# Altium PCB main.PcbDoc (part 1 of 5) (continued)
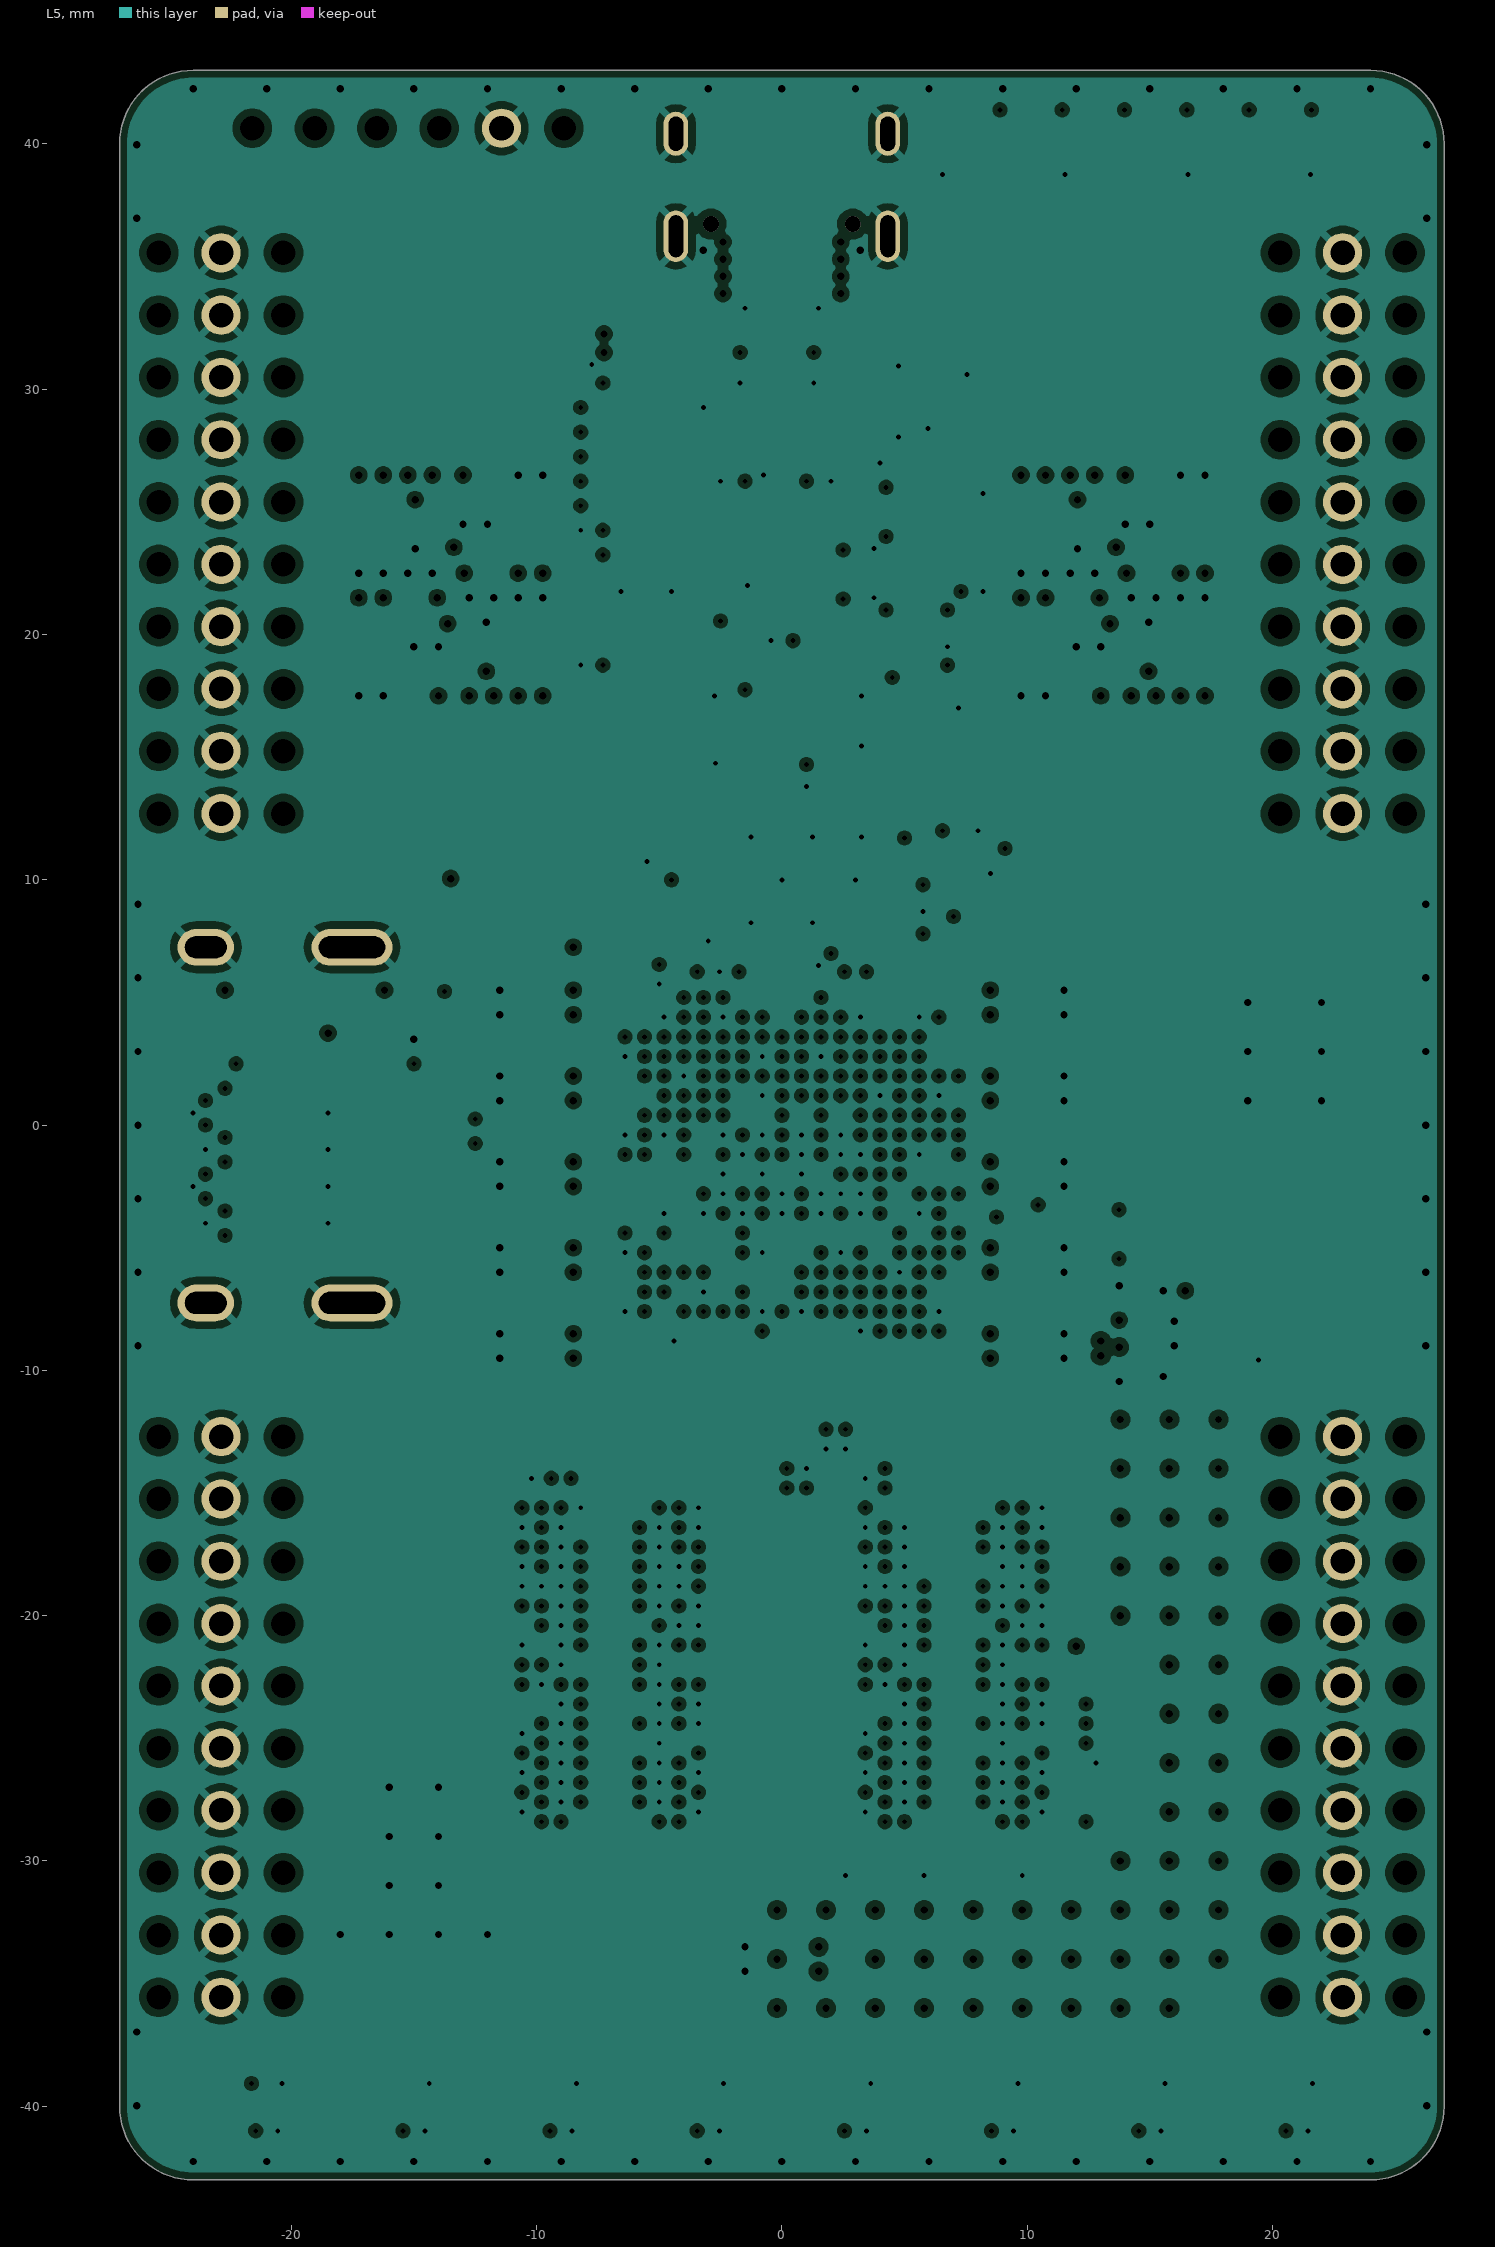
[diagram p5: L5]
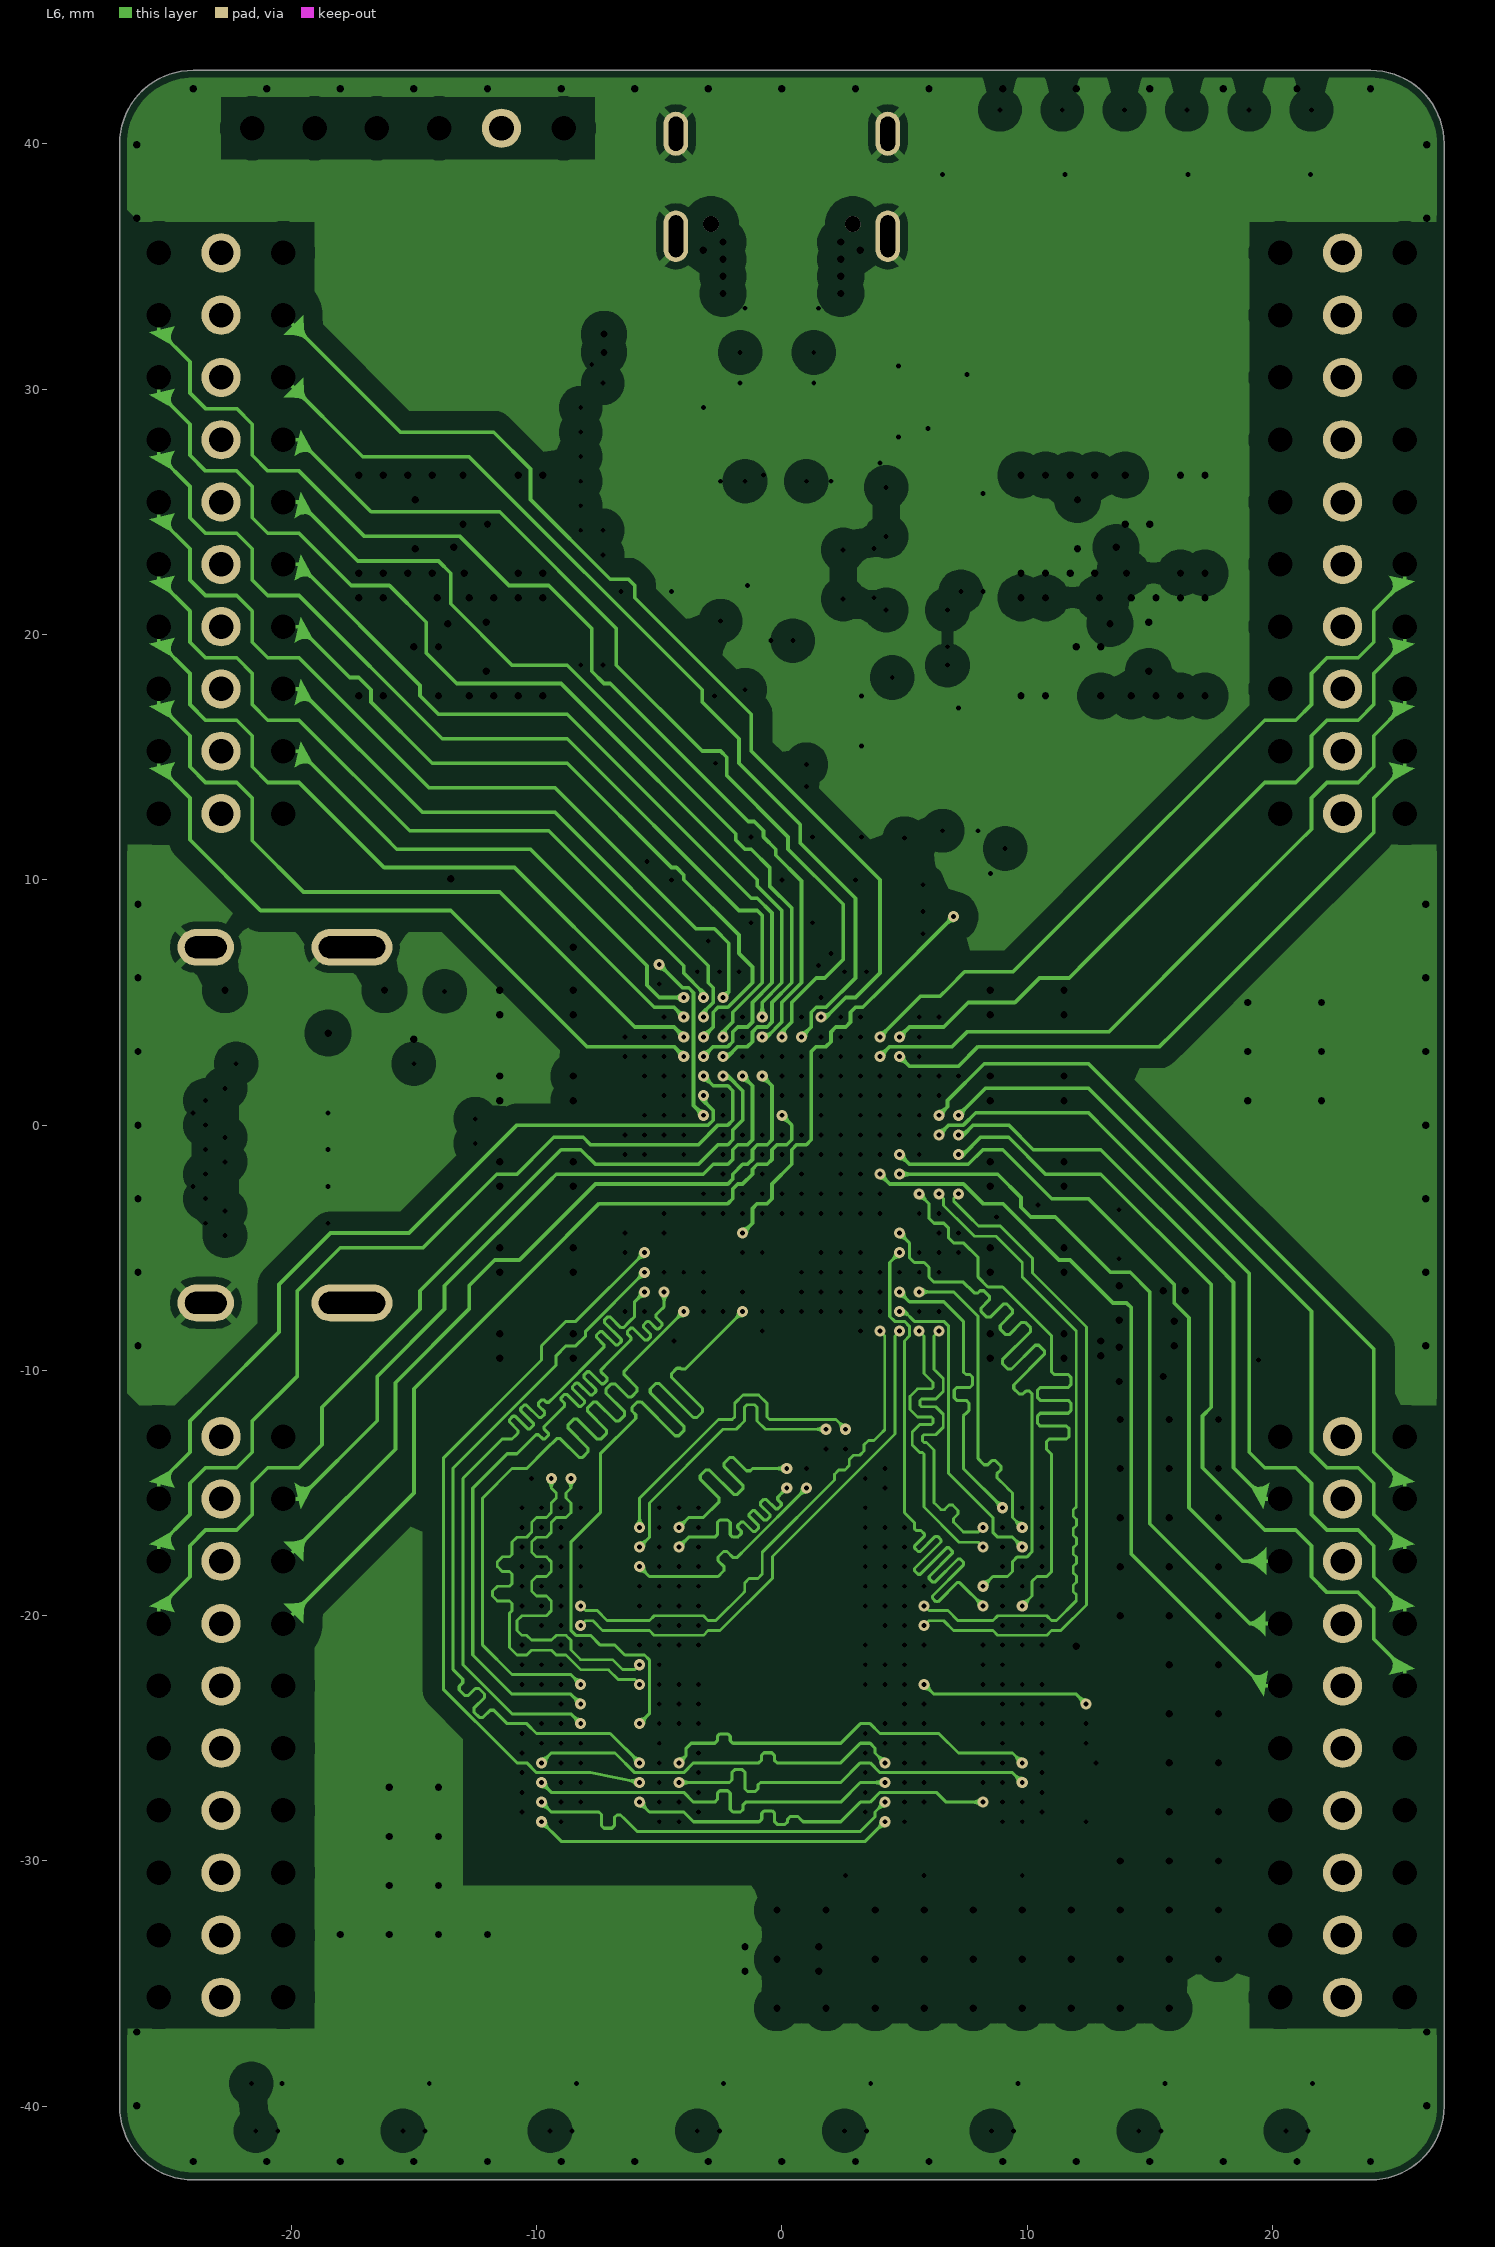
[diagram p6: L6]
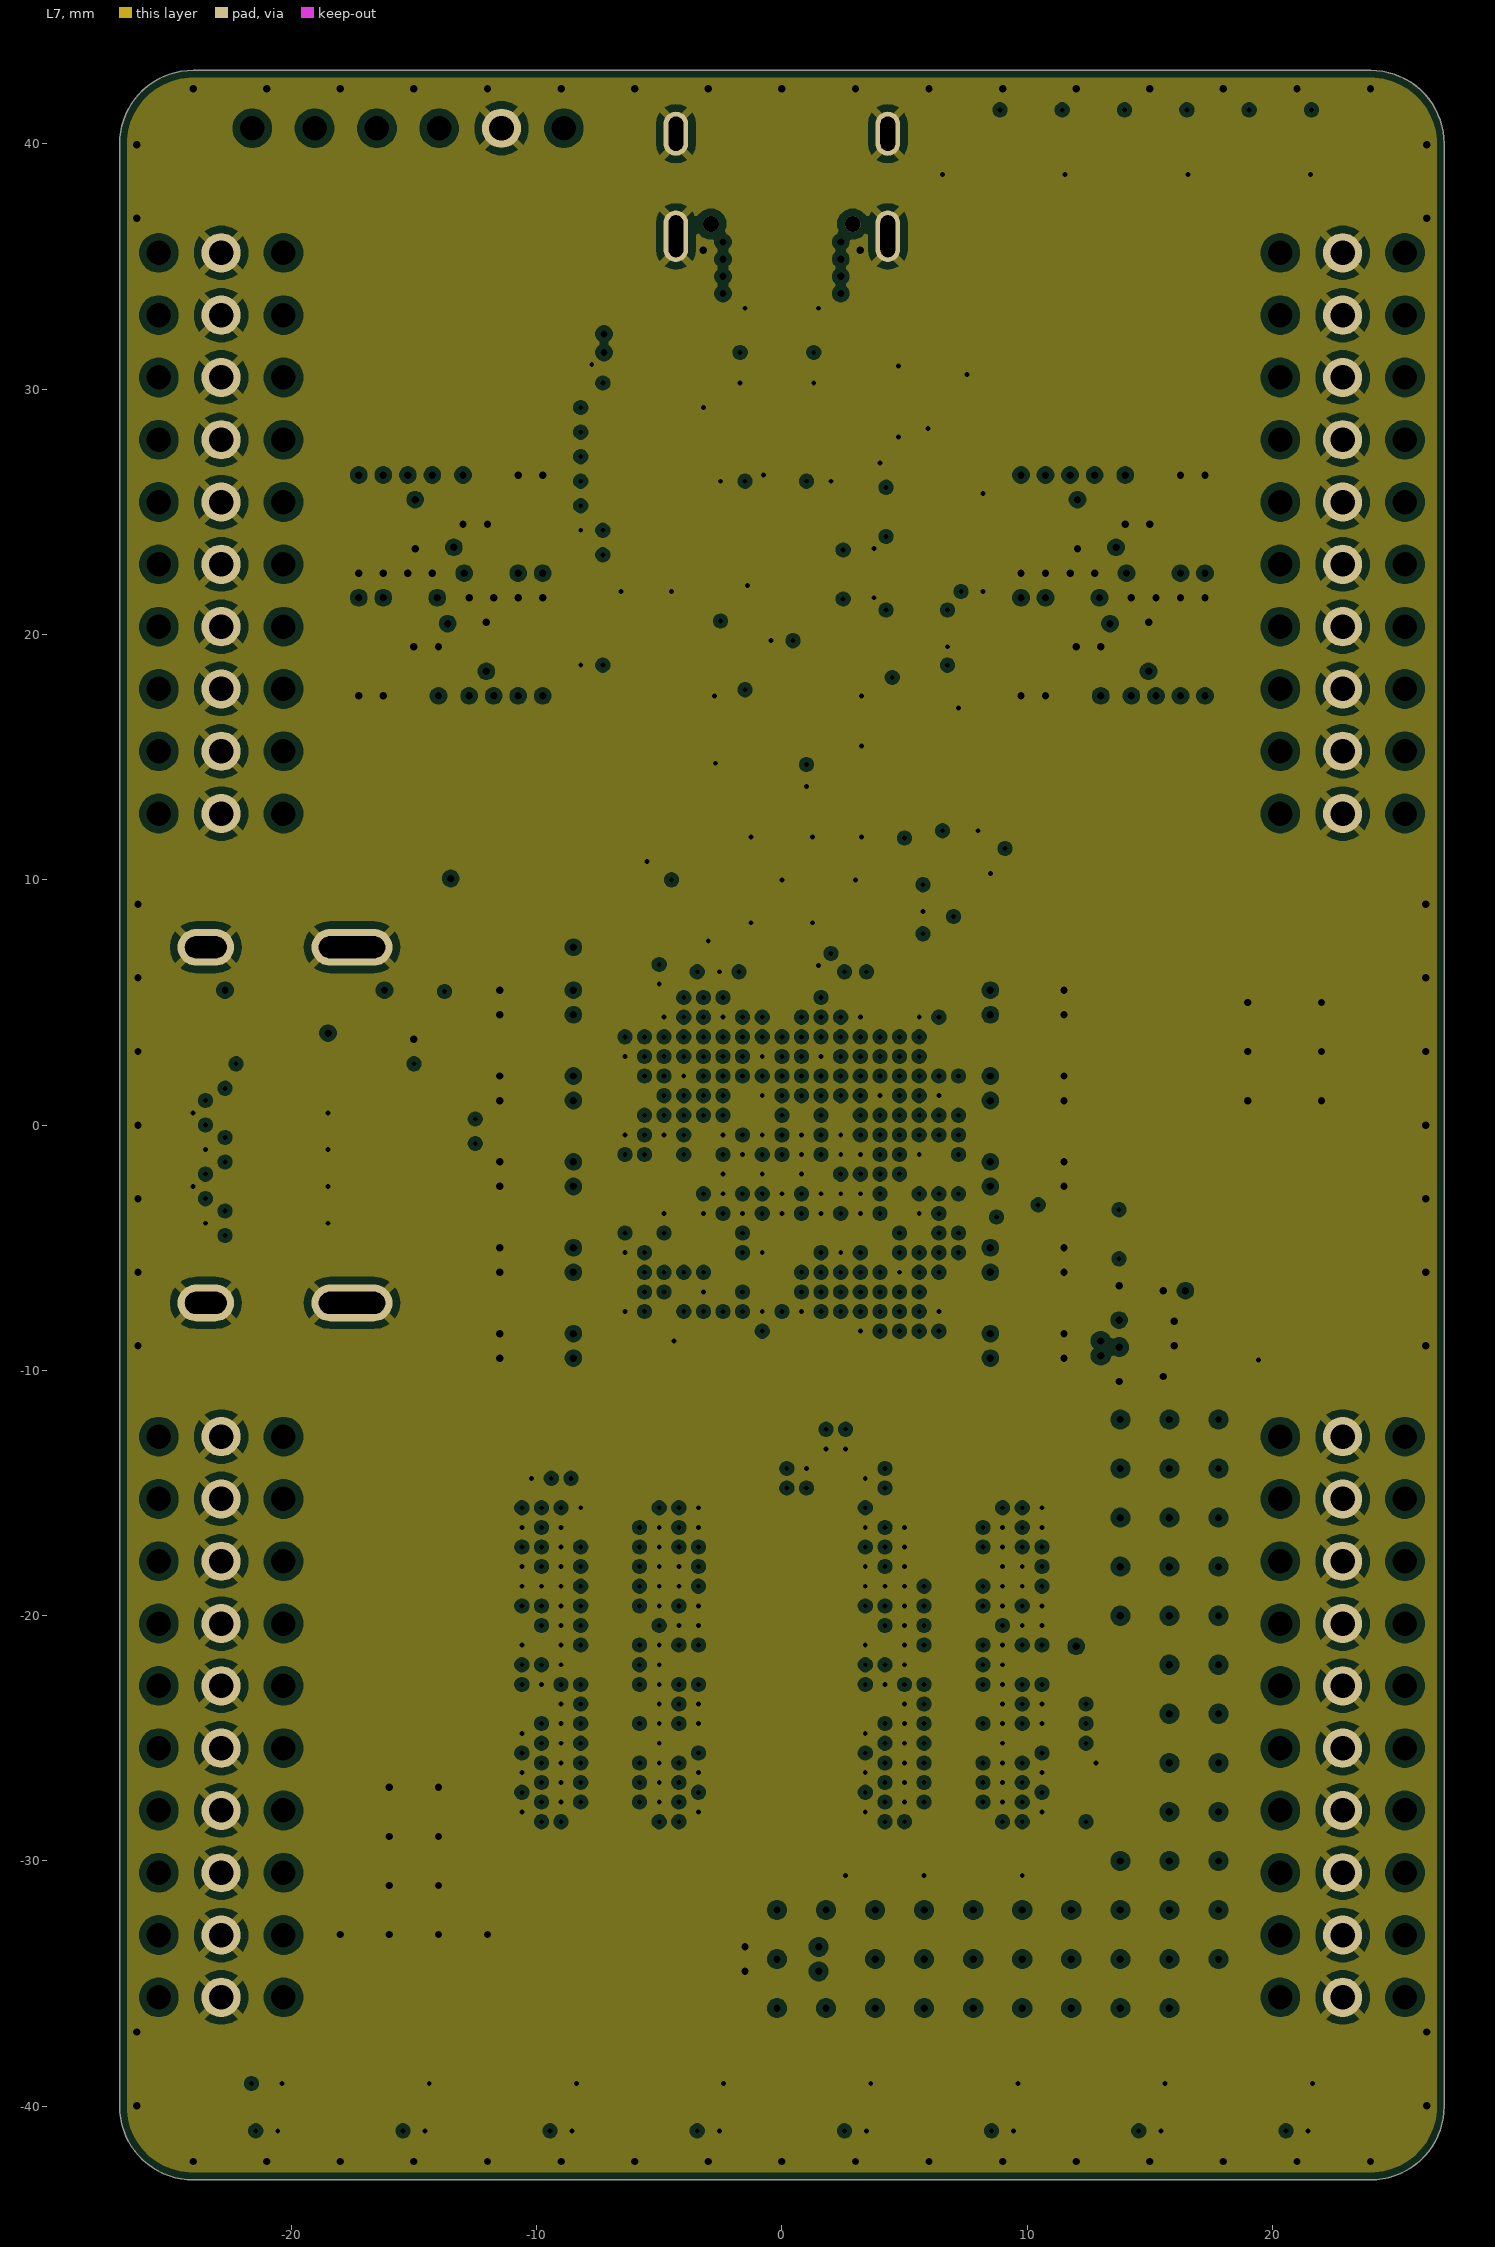
[diagram p7: L7]
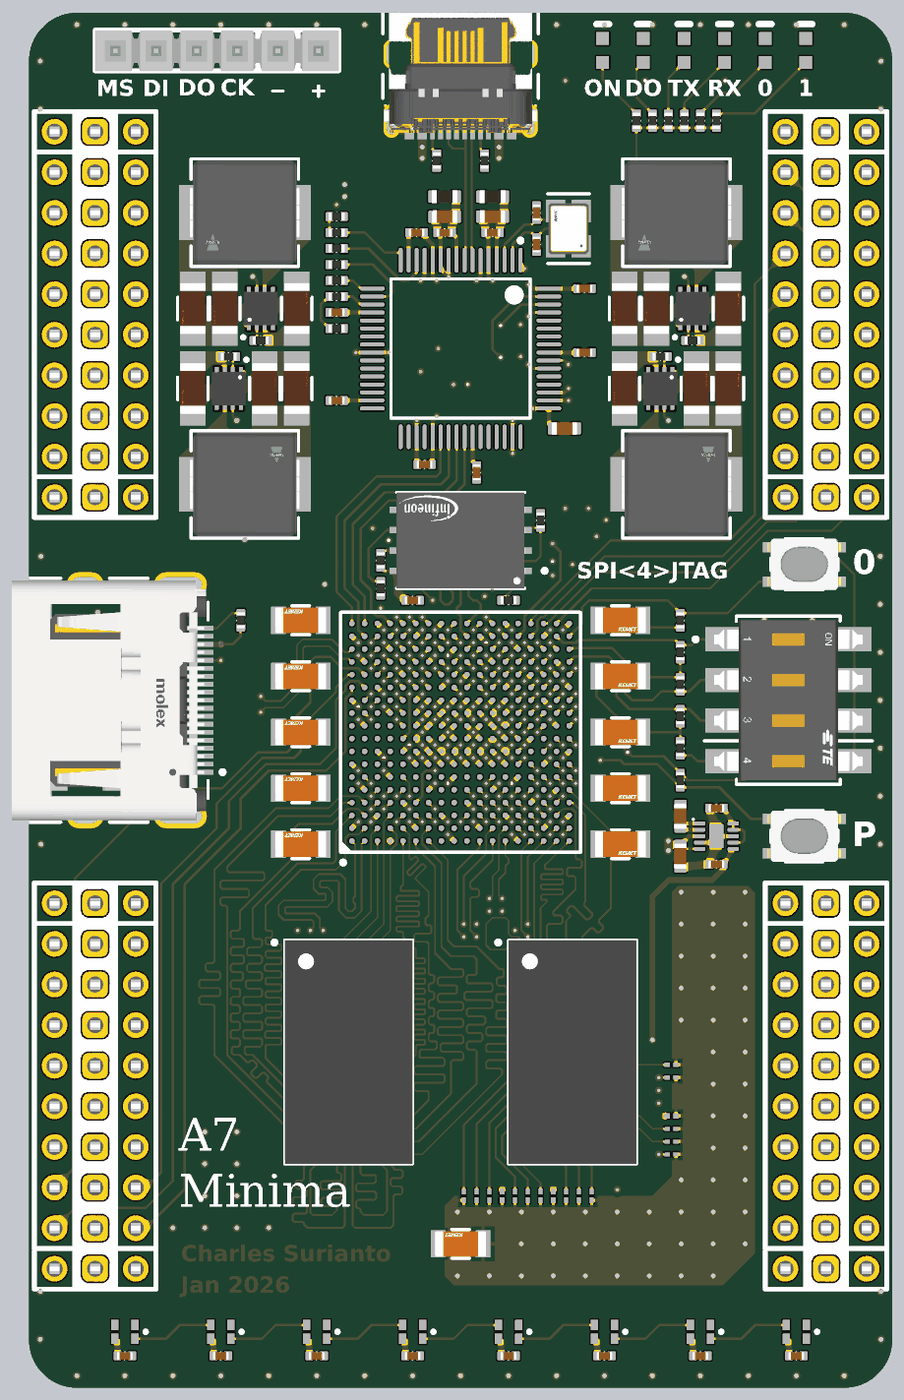
[diagram p12: 3D render of the assembled board from above, using the file's embedded part models]
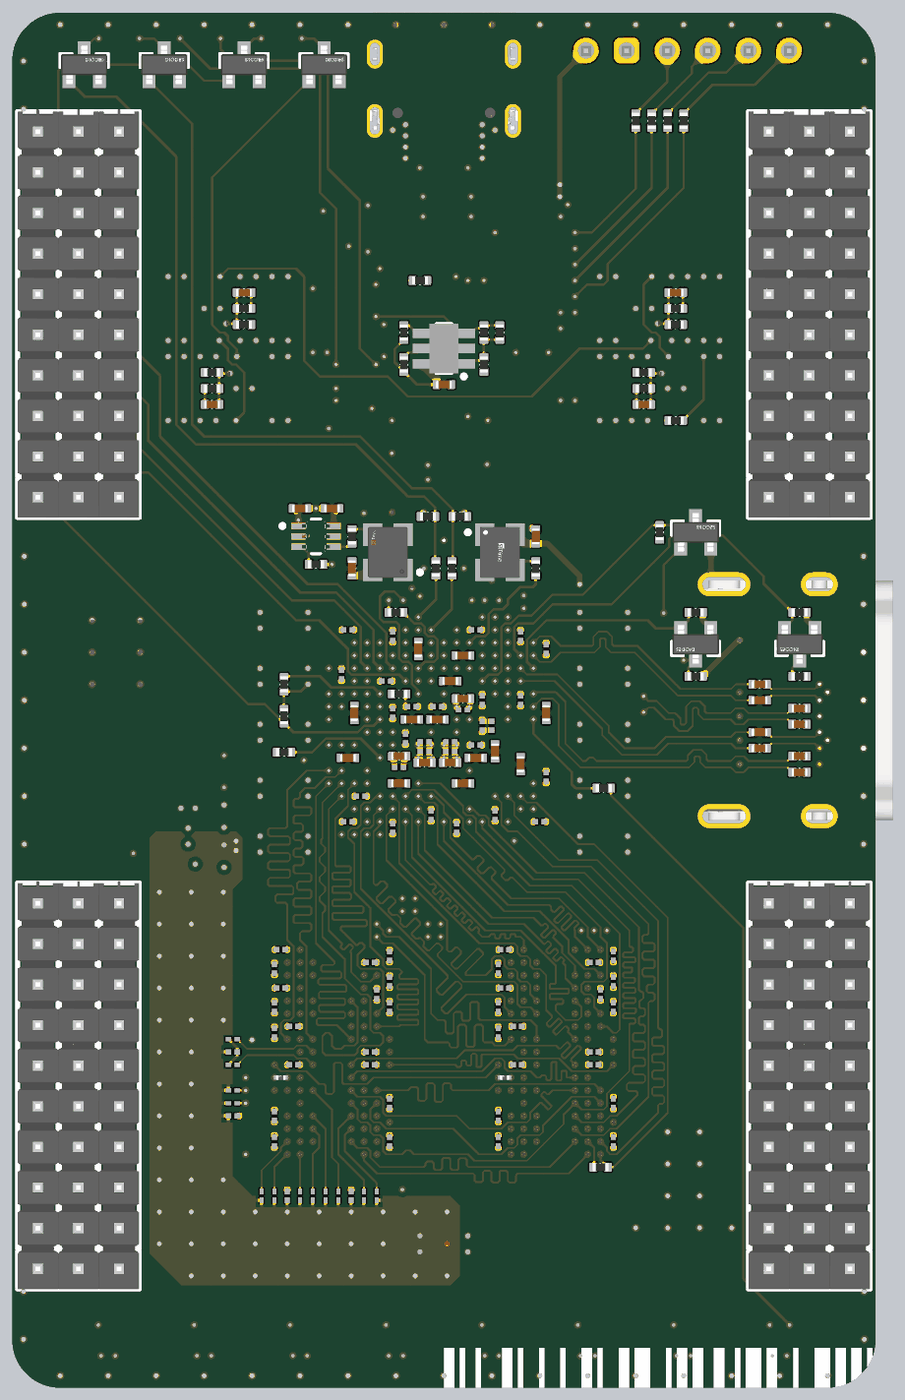
[diagram p13: 3D render of the assembled board from below, using the file's embedded part models]

## Layer stack, top to bottom
Top Solder: solder mask 0.0305, Solder Resist, Dk 3.8
L1: signal copper 0.035
Prepreg 1: prepreg 0.0764, PP-001, Dk 3.91
L2: signal copper 0.0152
Core 1: core 0.1, Core-001, Dk 4.6
L3: signal copper 0.0152
Dielectric 1: prepreg 0.2104, PP-001, Dk 4.4
Prepreg 2: prepreg 0.084, PP-001, Dk 3.91
Dielectric 3: prepreg 0.2104, PP-001, Dk 4.4
L4: signal copper 0.0152
Core 2: core 0.1, Core-001, Dk 4.6
L5: signal copper 0.0152
Dielectric 4: prepreg 0.2104, PP-001, Dk 4.4
Prepreg 3: prepreg 0.084, PP-001, Dk 3.91
Dielectric 2: prepreg 0.2104, PP-001, Dk 4.4
L6: signal copper 0.0152
Core 3: core 0.1, Core-001, Dk 4.6
L7: signal copper 0.0152
Prepreg 4: prepreg 0.0764, PP-001, Dk 3.91
L8: signal copper 0.035
Bottom Solder: solder mask 0.0305, Solder Resist, Dk 3.8

## Board outline
-27,-40 ccw(c-24,-40) -24,-43 24,-43 ccw(c24,-40) 27,-40 27,40 ccw(c24,40) 24,43 -24,43 ccw(c-24,40) -27,40

## Design rules (kind name [scope] priority, off if disabled: settings)
BoardOutlineClearance SilkBoardOutlineClearance [OnLayer('Top Overlay', 'Bottom Overlay')] p1: gap=0 ignorepadtopadclearanceinfootprint=FALSE
BoardOutlineClearance [All] p2: gap=0.3 ignorepadtopadclearanceinfootprint=FALSE
Clearance GNDPourClearance [InNet('GND') AND (OnLayer('L3', 'L6'))] p1: gap=0.8 ignorepadtopadclearanceinfootprint=TRUE except(0.1: Arc-Arc Arc-Track Arc-SMDPad Track-Track Track-SMDPad SMDPad-SMDPad; 0.2: Arc-THPad Arc-Via Arc-Text Arc-Hole Track-THPad Track-Via Track-Text Track-Hole SMDPad-THPad SMDPad-Via SMDPad-Text SMDPad-Hole THPad-THPad THPad-Via THPad-Text THPad-Hole Via-Via Via-Text Via-Hole Text-Text Text-Hole)
Clearance VTTPourClearance [InNet('+0.75 VTT')] p2: gap=0.2 ignorepadtopadclearanceinfootprint=TRUE except(0.1: Arc-Arc Arc-Track Arc-SMDPad Track-Track Track-SMDPad SMDPad-SMDPad; 0.15: Arc-Fill Arc-Poly Arc-Region Track-Fill Track-Poly Track-Region SMDPad-Fill SMDPad-Poly SMDPad-Region Fill-Fill Fill-Poly Fill-Region Poly-Poly Poly-Region Region-Region; 0.25: THPad-Fill THPad-Poly THPad-Region Via-Fill Via-Poly Via-Region Fill-Text Fill-Hole Poly-Text Poly-Hole Region-Text Region-Hole)
Clearance THClearance [InComponent('J*', 'P*')] p3: gap=0.2 ignorepadtopadclearanceinfootprint=TRUE except(0.1: Arc-Fill Arc-Poly Arc-Region Track-Fill Track-Poly Track-Region SMDPad-Fill SMDPad-Poly SMDPad-Region; 0.3: THPad-Fill THPad-Poly THPad-Region Via-Fill Via-Poly Via-Region Fill-Fill Fill-Poly Fill-Region Fill-Hole Poly-Poly Poly-Region Poly-Hole Region-Region Region-Hole)
Clearance BGAClearance [WithinRoom('FPGARoom') OR WithinRoom('DDRRoom1')OR WithinRoom('DDRRoom2')] p4: gap=0.1 ignorepadtopadclearanceinfootprint=TRUE except(0.2: Arc-THPad Arc-Text Arc-Hole Track-THPad Track-Text Track-Hole SMDPad-THPad SMDPad-Text SMDPad-Hole THPad-THPad THPad-Fill THPad-Poly THPad-Region THPad-Text THPad-Hole Via-Via Via-Text Via-Hole Fill-Text Fill-Hole Poly-Text Poly-Hole Region-Text Region-Hole Text-Text Text-Hole)
Clearance DiffPairClearance [InNetClass('DDR3') OR InDifferentialPair('USBD_4')] p5: gap=0.1 ignorepadtopadclearanceinfootprint=TRUE except(0.2: Arc-Hole Track-Hole SMDPad-Hole THPad-Hole Via-Hole Fill-Hole Poly-Hole Region-Hole Text-Hole)
Clearance [All] p6: gap=0.2 ignorepadtopadclearanceinfootprint=TRUE except(0.1: Arc-Arc Arc-Track Arc-SMDPad Arc-Fill Arc-Poly Arc-Region Track-Track Track-SMDPad Track-Fill Track-Poly Track-Region SMDPad-SMDPad SMDPad-Via SMDPad-Fill SMDPad-Poly SMDPad-Region; 0.15: Fill-Fill Fill-Poly Fill-Region Poly-Poly Poly-Region Region-Region; 0.3: THPad-Fill THPad-Poly THPad-Region)
ComponentClearance HeaderComponentClearance [InComponent('J*') vs InComponent('J*')] p1: gap=-1 collisioncheckmode=3 verticalgap=-1 showdistances=FALSE
ComponentClearance [All] p2: gap=0.25 collisioncheckmode=3 verticalgap=0.25 showdistances=FALSE
DiffPairsRouting HDMIDiffPairsRouting [InNetClass('HDMI')] p1: maxlimit=0.3 minlimit=0.254 mostfreqgap=0.3 toplayer_mingap=0.3 toplayer_minwidth=0.108 toplayer_maxwidth=0.108 toplayer_prefwidth=0.108 midlayer2_mingap=0.3 midlayer2_minwidth=0.114 midlayer2_maxwidth=0.114 midlayer2_prefwidth=0.114 midlayer8_mingap=0.3 midlayer8_minwidth=0.114 midlayer8_maxwidth=0.114 midlayer8_prefwidth=0.114 bottomlayer_mingap=0.3 bottomlayer_minwidth=0.108 bottomlayer_maxwidth=0.108 bottomlayer_prefwidth=0.108 impedanceprofiledriven=TRUE impedanceprofileid={FDC189BD-4709-47B6-9B28-E2A521F0BF46} impedanceprofilevalue=100.000000 maxuncoupledlength=12.7
DiffPairsRouting USBDiffPairsRouting [InDifferentialPair('USBD_4')] p2: maxlimit=0.254 minlimit=0.127 mostfreqgap=0.15 toplayer_mingap=0.25 toplayer_maxgap=0.25 toplayer_prefgap=0.25 toplayer_minwidth=0.132 toplayer_maxwidth=0.132 toplayer_prefwidth=0.132 bottomlayer_mingap=0.25 bottomlayer_maxgap=0.25 bottomlayer_prefgap=0.25 bottomlayer_minwidth=0.132 bottomlayer_maxwidth=0.132 bottomlayer_prefwidth=0.132 impedanceprofiledriven=TRUE impedanceprofileid={BA89DB83-8E5A-4DDB-B968-47867C00D1D5} impedanceprofilevalue=90.000000 maxuncoupledlength=12.7
DiffPairsRouting DDRDiffPairsRouting [InNetClass('DDR3')] p3: maxlimit=0.3 minlimit=0.15 mostfreqgap=0.3 toplayer_mingap=0.3 toplayer_minwidth=0.108 toplayer_maxwidth=0.108 toplayer_prefwidth=0.108 midlayer2_mingap=0.3 midlayer2_minwidth=0.114 midlayer2_maxwidth=0.114 midlayer2_prefwidth=0.114 midlayer8_mingap=0.3 midlayer8_minwidth=0.114 midlayer8_maxwidth=0.114 midlayer8_prefwidth=0.114 bottomlayer_mingap=0.3 bottomlayer_minwidth=0.108 bottomlayer_maxwidth=0.108 bottomlayer_prefwidth=0.108 impedanceprofiledriven=TRUE impedanceprofileid={FDC189BD-4709-47B6-9B28-E2A521F0BF46} impedanceprofilevalue=100.000000 maxuncoupledlength=12.7
HoleSize [All] p1: absolutevalues=TRUE maxlimit=5 minlimit=0.2 maxpercent=80.000 minpercent=20.000
HoleToHoleClearance [All] p1: gap=0.2 allowstackedmicrovias=TRUE
MatchedLengths DiffPairMatchedLengths [InxSignalClass('All xSignals')] p1: tolerance=25.4 checknetsindiffpair=TRUE checkdiffpairvsdiffpair=FALSE checkxsignals=FALSE checkothers=FALSE usedelayunits=TRUE delaytolerance=1.000000
MatchedLengths Byte0MatchedLengths [InxSignalClass('BYTE0')] p2: tolerance=25.4 checknetsindiffpair=FALSE checkdiffpairvsdiffpair=TRUE checkxsignals=TRUE checkothers=TRUE usedelayunits=TRUE delaytolerance=1.000000
MatchedLengths Byte1MatchedLengths [InxSignalClass('BYTE1')] p3: tolerance=25.4 checknetsindiffpair=FALSE checkdiffpairvsdiffpair=TRUE checkxsignals=TRUE checkothers=TRUE usedelayunits=TRUE delaytolerance=1.000000
MatchedLengths Byte2MatchedLengths [InxSignalClass('BYTE2')] p4: tolerance=25.4 checknetsindiffpair=FALSE checkdiffpairvsdiffpair=TRUE checkxsignals=TRUE checkothers=TRUE usedelayunits=TRUE delaytolerance=1.000000
MatchedLengths Byte3MatchedLengths [InxSignalClass('BYTE3')] p5: tolerance=25.4 checknetsindiffpair=FALSE checkdiffpairvsdiffpair=TRUE checkxsignals=TRUE checkothers=TRUE usedelayunits=TRUE delaytolerance=1.000000
MatchedLengths AdrCtlCmd1MatchedLengths [InxSignalClass('ADDR_CTL_CMD1')] p6: tolerance=25.4 checknetsindiffpair=FALSE checkdiffpairvsdiffpair=TRUE checkxsignals=TRUE checkothers=TRUE usedelayunits=TRUE delaytolerance=1.000000
MatchedLengths AdrCtlCmd2MatchedLengths [InxSignalClass('ADDR_CTL_CMD2')] p7: tolerance=25.4 checknetsindiffpair=FALSE checkdiffpairvsdiffpair=TRUE checkxsignals=TRUE checkothers=TRUE usedelayunits=TRUE delaytolerance=1.000000
MatchedLengths HDMIMatchedLengths [InxSignalClass('HDMI')] p8: tolerance=25.4 checknetsindiffpair=FALSE checkdiffpairvsdiffpair=TRUE checkxsignals=TRUE checkothers=TRUE usedelayunits=TRUE delaytolerance=5.000000
MatchedLengths QSPIMatchedLengths [InxSignalClass('QSPI')] p9: tolerance=25.4 checknetsindiffpair=FALSE checkdiffpairvsdiffpair=TRUE checkxsignals=TRUE checkothers=TRUE usedelayunits=TRUE delaytolerance=10.000000
MinimumSolderMaskSliver [All] p1: minsoldermaskwidth=0
PolygonConnect VTTPolygonConnect [OnLayer('L1','L8') AND InNet('+0.75 VTT') vs NOT IsVia] p1: connectstyle=Relief reliefconductorwidth=0.2 reliefentries=4 polygonreliefangle="90 Angle" airgapwidth=0.25
PolygonConnect THPolygonConnect [InComponent('J*', 'P*')] p2: connectstyle=Relief reliefconductorwidth=0.3 reliefentries=4 polygonreliefangle="45 Angle" airgapwidth=0.3
PolygonConnect [All] p3: connectstyle=Direct reliefconductorwidth=0.254 reliefentries=4 polygonreliefangle="90 Angle" airgapwidth=0.254
RoomDefinition DDRRoom1 [InComponentClass('Room Definition1')] p1: confinementstyle=ConfineIn formatcopy=TRUE lockcomponents=FALSE outline -11.1,-29.1 -11.1,-14.9 -2.9,-14.9 -2.9,-29.1
RoomDefinition DDRRoom2 [InComponentClass('Room Definition1')] p2: confinementstyle=ConfineIn formatcopy=TRUE lockcomponents=FALSE outline 2.9,-29.1 2.9,-14.9 11.1,-14.9 11.1,-29.1
RoomDefinition FPGARoom [InComponentClass('Room Definition1')] p3: confinementstyle=ConfineIn formatcopy=TRUE lockcomponents=FALSE outline -7.6,-9.6 -7.6,5.6 7.6,5.6 7.6,-9.6
RoutingVias [All] p1: holewidth=0.2 width=0.45 viastyle="Through Hole" minholewidth=0.2 minwidth=0.4 maxholewidth=1 maxwidth=2
SilkToSolderMaskClearance [IsPad] p1: minsilkscreentomaskgap=0 clearancetoexposedcopper=TRUE
SolderMaskExpansion [All] p1: expansion=0.102 istentingtop=FALSE
SupplyNets "Schematic Supply Nets_8" [InNet('+1.5 DDR3')] p1: voltage=0.000
SupplyNets "Schematic Supply Nets_6" [InNet('+0.75 VTTREF')] p2: voltage=0.000
SupplyNets "Schematic Supply Nets_7" [InNet('+0.75 VTT')] p3: voltage=0.000
SupplyNets "Schematic Supply Nets_4" [InNet('+3.3')] p4: voltage=0.000
SupplyNets "Schematic Supply Nets_3" [InNet('+5 USB')] p5: voltage=0.000
SupplyNets "Schematic Supply Nets_2" [InNet('GND')] p6: voltage=0.000
SupplyNets "Schematic Supply Nets_1" [InNet('+1.8')] p7: voltage=0.000
SupplyNets "Schematic Supply Nets" [InNet('+1.0')] p8: voltage=0.000
Width DDRWidth [InNetClass('DDR3')] p1: maxlimit=2 minlimit=0.1 preferedwidth=0.126 toplayer_minwidth=0.118 toplayer_maxwidth=0.118 toplayer_prefwidth=0.118 midlayer2_minwidth=0.126 midlayer2_maxwidth=0.126 midlayer8_minwidth=0.126 midlayer8_maxwidth=0.126 bottomlayer_minwidth=0.118 bottomlayer_maxwidth=0.118 bottomlayer_prefwidth=0.118 impedanceprofiledriven=TRUE impedanceprofileid={4D39EC09-CBC2-4474-8637-738F6E712CFE} impedanceprofilevalue=50.000000 minimp=50.000000 maximp=50.000000 favimp=50.000000
Width [All] p2: maxlimit=2 minlimit=0.15 preferedwidth=0.15
24 further rules are at their usual default settings.
